# Allegro board HB1A-AAFM.brd (continued)
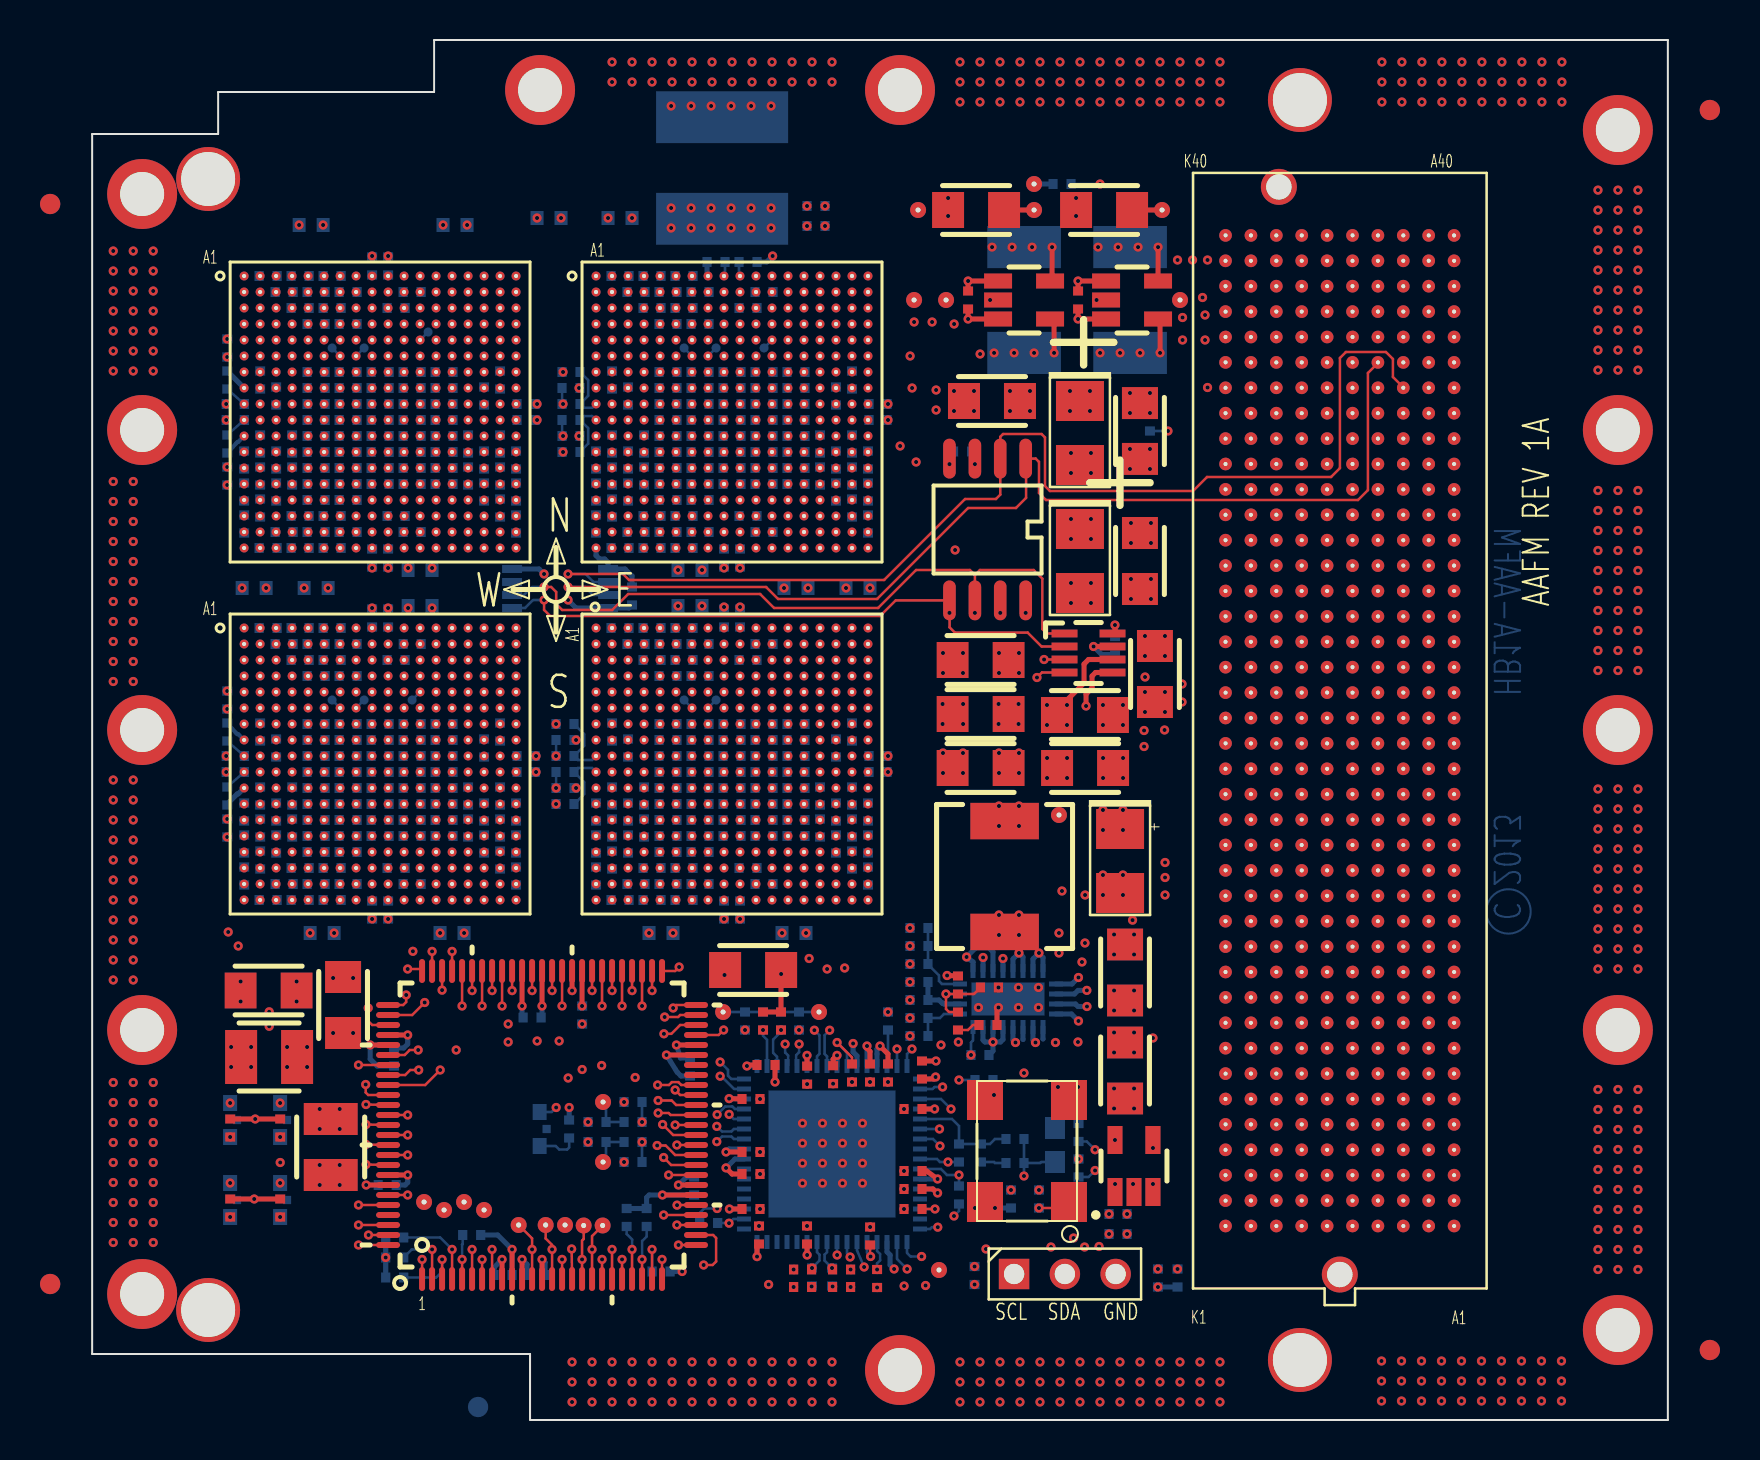
[diagram p0: board, top side]
## Placement (name value [footprint] x y rotation side) (continued)
C230  0.1 uF  [0402]  11.2 30 0 bottom
C231  0.1 uF  [0402]  11.2 29.2 180 bottom
C232  22.0 uF  [0603_0P90MM_TANT]  10.95 59.75 180 bottom
C233  22.0 uF  [0603_0P90MM_TANT]  8.1 41.6 180 bottom
D1  DLED-0004  [AMC_LED]  9.4 11 90 bottom
D2  DLED-0004  [AMC_LED]  22.38 14.55 90 bottom
D3  DLED-0004  [AMC_LED]  9.4 15 90 bottom
D4  DLED-0004  [AMC_LED]  6.9 11 90 bottom
D5  DLED-0004  [AMC_LED]  6.9 15 90 bottom
FH1  J001-1T01  [TP_22]  22.4 66.5 0 top
FH2  J001-1T01  [TP_22]  40.4 66.5 0 top
FH3  J001-1T01  [TP_22]  76.3 64.5 0 top
FH4  J001-1T01  [TP_22]  2.5 61.3 0 top
FH5  J001-1T01  [TP_22]  2.5 49.5 0 top
FH6  J001-1T01  [TP_22]  76.3 49.5 0 top
FH7  J001-1T01  [TP_22]  2.5 34.5 0 top
FH8  J001-1T01  [TP_22]  76.3 34.5 0 top
FH9  J001-1T01  [TP_22]  2.5 19.5 0 top
FH10  J001-1T01  [TP_22]  76.3 19.5 0 top
FH11  J001-1T01  [TP_22]  2.5 6.3 0 top
FH12  J001-1T01  [TP_22]  76.3 4.5 0 top
FH13  J001-1T01  [TP_22]  40.4 2.5 0 top
J1  J003-1V02  [3P-JMP_LS100]  48.64 7.3 0 top
L1  .2uH  [IND-IHLP2525CZ-01]  45.63 27.18 90 top
NOREF  -  []  86.4 0 90 top
NOREF#2  -  []  21.9 0 90 top
NOREF#3  -  []  135.1 -47.3 0 top
NOREF#4  -  []  78.8 69 0 top
NOREF#5  -  []  21.9 0 90 top
NOREF#6  -  []  0 3.3 0 top
NOREF#7  -  []  0 64.3 0 top
NOREF#8  -  []  0 64.3 0 top
NOREF#9  -  []  0 3.3 0 top
NOREF#10  -  []  -7.6 3.3 0 top
NOREF#11  -  [unnamed#2]  80.9 3.5 90 top
NOREF#12  -  []  -7.6 3.3 90 top
NOREF#13  -  []  -7.6 3.3 0 top
NOREF#14  -  []  5.8 5.5 90 top
NOREF#15  -  [unnamed#2]  80.9 65.5 90 top
NOREF#16  -  []  21.9 0 90 top
NOREF#17  -  [unnamed#2]  -2.1 60.8 90 top
NOREF#18  -  [unnamed#2]  -2.1 6.8 90 top
NOREF#19  -  []  0 64.3 0 top
NOREF#20  -  []  92.7 144.9 0 top
NOREF#21  -  [unnamed#2]  80.9 3.5 90 bottom
NOREF#22  -  [unnamed#2]  80.9 65.5 90 bottom
NOREF#23  -  [unnamed#2]  -2.1 6.8 90 bottom
NOREF#24  -  [unnamed#2]  -2.1 60.8 90 bottom
P1  J400-AV11  [VITA57_MEZZ]  62.39 34.47 270 top
PCB1  AAFM PCB Revision 00  [BOM_PART]  19.3 0.65 180 bottom
R1  100  [1206]  52.4 49.45 270 top
R2  0  [0402]  43.3 21.75 270 top
R3  100.0  [0402]  33.55 19.95 90 top
R4  100.0  [0402]  34.45 19.95 90 top
R5  15K  [0402]  43.3 19.95 90 top
R6  100.0  [0402]  9.41 10.6 270 top
R7  4.12K  [0402]  38 17.35 270 top
R8  100.0  [0402]  6.91 10.6 270 top
R9  100.0  [0402]  23.85 14.55 270 bottom
R10  100.0  [0402]  6.91 14.6 270 top
R11  100.0  [0402]  9.41 14.6 270 top
R12  40.2  [0402]  35.53 6.65 180 top
R13  40.2  [0402]  37.48 6.65 0 top
R14  10K  [0402]  54.28 7.1 270 bottom
R16  10K  [0402]  53.3 7.1 270 bottom
R17  0  [0402]  52.9 49.9 90 bottom
R18  0  [0402]  48.5 61.8 180 bottom
R19  100.0  [0402]  47.35 11.05 270 bottom
R20  0.05  [2512_0P635]  46.6 56 90 bottom
R21  0.02  [2512_0P635]  51.91 56 90 bottom
R22  24.9  [0402]  44.6 17 180 bottom
R23  499.0  [0402]  44.45 13.35 270 bottom
R24  113K  [0402]  44.4 18.25 180 bottom
R25  10K  [0402]  44.13 7.22 270 bottom
R26  3.0K  [0402]  43.35 13.35 270 bottom
R27  309K  [0402]  41.35 24.6 0 bottom
R28  232K  [0402]  41.35 23.7 0 bottom
R29  309K  [0402]  41.35 22.8 180 bottom
R30  232K  [0402]  41.35 21.9 0 bottom
R31  309K  [0402]  41.35 21 180 bottom
R32  121K  [0402]  41.35 20.1 180 bottom
R33  113K  [0402]  41.35 19.2 0 bottom
R34  5.11K  [0402]  39.8 19.95 90 bottom
R35  10K  [0402]  39.3 50.8 180 bottom
R36  10K  [0402]  39.3 50 180 bottom
R37  10K  [0402]  39.3 33.2 180 bottom
R38  10K  [0402]  39.3 32.4 180 bottom
R39  100.0  [0402]  38.8 48 90 bottom
R40  100.0  [0402]  38.8 46.4 90 bottom
R41  100.0  [0402]  38.8 44.8 90 bottom
R42  100.0  [0402]  38.8 30.4 90 bottom
R43  100.0  [0402]  38.8 28.8 90 bottom
R44  100.0  [0402]  38.8 27.2 90 bottom
R45  100.0  [0402]  38 52 90 bottom
R46  100.0  [0402]  38 48.8 90 bottom
R47  100.0  [0402]  38 47.2 90 bottom
R48  100.0  [0402]  38 45.6 90 bottom
R49  100.0  [0402]  38 34.4 90 bottom
R50  100.0  [0402]  38 31.2 90 bottom
R51  100.0  [0402]  38 29.6 90 bottom
R52  100.0  [0402]  38 28 90 bottom
R53  100.0  [0402]  37.48 7.53 0 top
R54  100.0  [0402]  37.2 51.2 90 bottom
R55  100.0  [0402]  37.2 48 90 bottom
R56  100.0  [0402]  37.2 46.4 90 bottom
R57  100.0  [0402]  37.2 33.6 90 bottom
R58  100.0  [0402]  37.2 30.4 90 bottom
R59  100.0  [0402]  37.2 28.8 90 bottom
R60  57.6  [0402]  37 7.15 270 bottom
R61  100.0  [0402]  36.4 48.8 90 bottom
R62  100.0  [0402]  36.4 47.2 90 bottom
R63  100.0  [0402]  36.4 31.2 90 bottom
R64  100.0  [0402]  36.4 29.6 90 bottom
R65  57.6  [0402]  36 7.15 270 bottom
R66  40.2  [0402]  35.35 19.95 270 bottom
R67  100.0  [0402]  35.53 7.53 180 top
R68  57.6  [0402]  34.45 19.95 90 bottom
R69  100.0  [0402]  33.6 56.4 180 bottom
R70  100.0  [0402]  33.6 44.4 0 bottom
R71  100.0  [0402]  33.6 38.8 180 bottom
R72  100.0  [0402]  33.6 26.8 0 bottom
R73  57.6  [0402]  33.55 19.95 90 bottom
R74  10K  [0402]  32.8 57.9 180 bottom
R75  100.0  [0402]  32.8 55.6 180 bottom
R76  100.0  [0402]  32.8 45.2 0 bottom
R77  100.0  [0402]  32.8 38 180 bottom
R78  100.0  [0402]  32.8 27.6 0 bottom
R79  24.9  [0402]  30.83 9.85 180 bottom
R80  40.2  [0402]  32.65 19.95 270 bottom
R81  10K  [0402]  32.4 43.1 90 bottom
R82  10K  [0402]  32.4 40.1 270 bottom
R83  10K  [0402]  32.4 25.5 90 bottom
R84  10K  [0402]  31.6 43.1 90 bottom
R85  10K  [0402]  31.6 40.1 270 bottom
R86  10K  [0402]  31.6 25.5 90 bottom
R87  1M  [MC101_0P89]  31.5 62.6 90 bottom
R88  10K  [0402]  31.2 57.9 0 bottom
R89  100.0  [0402]  30.4 56.4 180 bottom
R90  100.0  [0402]  30.4 54.8 180 bottom
R91  100.0  [0402]  30.4 46 0 bottom
R92  100.0  [0402]  30.4 44.4 0 bottom
R93  100.0  [0402]  30.4 38.8 180 bottom
R94  100.0  [0402]  30.4 37.2 180 bottom
R95  100.0  [0402]  30.4 28.4 0 bottom
R96  100.0  [0402]  30.4 26.8 0 bottom
R97  100.0  [0402]  29.6 57.2 180 bottom
R98  100.0  [0402]  29.6 55.6 180 bottom
R99  100.0  [0402]  29.6 45.2 0 bottom
R100  100.0  [0402]  29.6 43.6 0 bottom
R101  100.0  [0402]  29.6 39.6 180 bottom
R102  100.0  [0402]  29.6 38 180 bottom
R103  100.0  [0402]  29.6 27.6 0 bottom
R104  100.0  [0402]  29.6 26 0 bottom
R105  100.0  [0402]  28.8 56.4 180 bottom
R106  100.0  [0402]  28.8 54.8 180 bottom
R107  100.0  [0402]  28.8 46 0 bottom
R108  100.0  [0402]  28.8 44.4 0 bottom
R109  100.0  [0402]  28.8 38.8 180 bottom
R110  100.0  [0402]  28.8 37.2 180 bottom
R111  100.0  [0402]  28.8 28.4 0 bottom
R112  100.0  [0402]  28.8 26.8 0 bottom
R113  100.0  [0402]  28 57.2 180 bottom
R114  100.0  [0402]  28 55.6 180 bottom
R115  100.0  [0402]  28 45.2 0 bottom
R116  100.0  [0402]  28 43.6 0 bottom
R117  100.0  [0402]  28 39.6 180 bottom
R118  100.0  [0402]  28 38 180 bottom
R119  100.0  [0402]  28 27.6 0 bottom
R120  100.0  [0402]  28 26 0 bottom
R121  100.0  [0402]  27.6 48.8 270 bottom
R122  100.0  [0402]  27.6 47.2 270 bottom
R123  100.0  [0402]  27.6 31.2 270 bottom
R124  100.0  [0402]  27.6 29.6 270 bottom
R125  100.0  [0402]  27.2 56.4 180 bottom
R126  100.0  [0402]  27.2 44.4 0 bottom
R127  100.0  [0402]  27.2 38.8 180 bottom
R128  100.0  [0402]  27.2 26.8 0 bottom
R129  100.0  [0402]  27.05 15.9 180 bottom
R130  57.6  [0402]  27.05 14.9 180 bottom
R131  57.6  [0402]  27.05 13.9 180 bottom
R132  100.0  [0402]  27.05 12.9 180 bottom
R133  100.0  [0402]  26.8 51.2 270 bottom
R134  100.0  [0402]  26.8 48 270 bottom
R135  100.0  [0402]  26.8 46.4 270 bottom
R136  100.0  [0402]  26.8 33.6 270 bottom
R137  100.0  [0402]  26.8 30.4 270 bottom
R138  100.0  [0402]  26.8 28.8 270 bottom
R139  100.0  [0402]  26.4 57.2 180 bottom
R140  100.0  [0402]  26.4 43.6 0 bottom
R141  100.0  [0402]  26.4 39.6 180 bottom
R142  100.0  [0402]  26.4 26 0 bottom
R143  100.0  [0402]  26 52 270 bottom
R144  100.0  [0402]  26 48.8 270 bottom
R145  100.0  [0402]  26 47.2 270 bottom
R146  100.0  [0402]  26 45.6 270 bottom
R147  100.0  [0402]  26 34.4 270 bottom
R148  100.0  [0402]  26 31.2 270 bottom
R149  100.0  [0402]  26 29.6 270 bottom
R150  100.0  [0402]  26 28 270 bottom
R151  40.2  [0402]  25.25 14.9 180 bottom
R152  40.2  [0402]  25.25 13.9 180 bottom
R153  100.0  [0402]  25.2 48 270 bottom
R154  100.0  [0402]  25.2 46.4 270 bottom
R155  100.0  [0402]  25.2 44.8 270 bottom
R156  100.0  [0402]  25.2 30.4 270 bottom
R157  100.0  [0402]  25.2 28.8 270 bottom
R158  100.0  [0402]  25.2 27.2 270 bottom
R159  40.2  [0402]  23.95 52.4 180 bottom
R160  100.0  [0402]  23.95 51.6 0 bottom
R161  57.6  [0402]  23.95 50.8 0 bottom
R162  57.6  [0402]  23.95 50 0 bottom
R163  100.0  [0402]  23.95 49.2 0 bottom
R164  40.2  [0402]  23.95 48.4 180 bottom
R165  40.2  [0402]  23.65 34.8 180 bottom
R166  100.0  [0402]  23.65 34 0 bottom
R167  57.6  [0402]  23.65 33.2 0 bottom
R168  57.6  [0402]  23.65 32.4 0 bottom
R169  100.0  [0402]  23.65 31.6 0 bottom
R170  40.2  [0402]  23.65 30.8 180 bottom
R171  10K  [0402]  21.7 50.8 180 bottom
R172  10K  [0402]  21.7 50 180 bottom
R173  10K  [0402]  21.7 33.2 180 bottom
R174  10K  [0402]  21.7 32.4 180 bottom
R175  100.0  [0402]  21.2 48 90 bottom
R176  100.0  [0402]  21.2 46.4 90 bottom
R177  100.0  [0402]  21.2 44.8 90 bottom
R178  100.0  [0402]  21.2 30.4 90 bottom
R179  100.0  [0402]  21.2 28.8 90 bottom
R180  100.0  [0402]  21.2 27.2 90 bottom
R181  100.0  [0402]  20.4 52 90 bottom
R182  100.0  [0402]  20.4 48.8 90 bottom
R183  100.0  [0402]  20.4 47.2 90 bottom
R184  100.0  [0402]  20.4 45.6 90 bottom
R185  100.0  [0402]  20.4 34.4 90 bottom
R186  100.0  [0402]  20.4 31.2 90 bottom
R187  100.0  [0402]  20.4 29.6 90 bottom
R188  100.0  [0402]  20.4 28 90 bottom
R189  100.0  [0402]  19.6 51.2 90 bottom
R190  100.0  [0402]  19.6 48 90 bottom
R191  100.0  [0402]  19.6 46.4 90 bottom
R192  100.0  [0402]  19.6 33.6 90 bottom
R193  100.0  [0402]  19.6 30.4 90 bottom
R194  100.0  [0402]  19.6 28.8 90 bottom
R195  10K  [0402]  18.98 9.25 180 bottom
R196  100.0  [0402]  18.8 48.8 90 bottom
R197  100.0  [0402]  18.8 47.2 90 bottom
R198  100.0  [0402]  18.8 31.2 90 bottom
R199  100.0  [0402]  18.8 29.6 90 bottom
R200  10K  [0402]  15.13 9.12 0 bottom
R201  10K  [0402]  15.13 7.12 0 bottom
R202  10K  [0402]  15.13 8.12 0 bottom
R203  100.0  [0402]  16 56.4 180 bottom
R204  100.0  [0402]  16 44.4 0 bottom
R205  100.0  [0402]  16 26.8 0 bottom
R206  100.0  [0402]  15.2 55.6 180 bottom
R207  100.0  [0402]  15.2 45.2 0 bottom
R208  100.0  [0402]  15.2 38 180 bottom
R209  100.0  [0402]  15.2 27.6 0 bottom
R210  10K  [0402]  14.8 57.7 270 bottom
R211  10K  [0402]  14.8 43.1 90 bottom
R212  10K  [0402]  14.8 40.1 270 bottom
R213  10K  [0402]  14.8 25.5 90 bottom
R214  100.0  [0402]  16 38.8 180 bottom
R215  10K  [0402]  14 57.7 270 bottom
R216  10K  [0402]  14 43.1 90 bottom
R217  10K  [0402]  14 40.1 270 bottom
R218  10K  [0402]  14 25.5 90 bottom
R219  100.0  [0402]  12.8 56.4 180 bottom
R220  100.0  [0402]  12.8 54.8 180 bottom
R221  100.0  [0402]  12.8 46 0 bottom
R222  100.0  [0402]  12.8 44.4 0 bottom
R223  100.0  [0402]  12.8 38.8 180 bottom
R224  100.0  [0402]  12.8 37.2 180 bottom
R225  100.0  [0402]  12.8 28.4 0 bottom
R226  100.0  [0402]  12.8 26.8 0 bottom
R227  100.0  [0402]  12 57.2 180 bottom
R228  100.0  [0402]  12 55.6 180 bottom
R229  100.0  [0402]  12 45.2 0 bottom
R230  100.0  [0402]  12 43.6 0 bottom
R231  100.0  [0402]  12 39.6 180 bottom
R232  100.0  [0402]  12 38 180 bottom
R233  100.0  [0402]  12 27.6 0 bottom
R234  100.0  [0402]  12 26 0 bottom
R235  100.0  [0402]  11.2 56.4 180 bottom
R236  100.0  [0402]  11.2 54.8 180 bottom
R237  100.0  [0402]  11.2 46 0 bottom
R238  100.0  [0402]  11.2 44.4 0 bottom
R239  100.0  [0402]  11.2 38.8 180 bottom
R240  100.0  [0402]  11.2 37.2 180 bottom
R241  100.0  [0402]  11.2 28.4 0 bottom
R242  100.0  [0402]  11.2 26.8 0 bottom
R243  100.0  [0402]  10.4 57.2 180 bottom
R244  100.0  [0402]  10.4 55.6 180 bottom
R245  100.0  [0402]  10.4 45.2 0 bottom
R246  100.0  [0402]  10.4 43.6 0 bottom
R247  100.0  [0402]  10.4 39.6 180 bottom
R248  100.0  [0402]  10.4 38 180 bottom
R249  100.0  [0402]  10.4 27.6 0 bottom
R250  100.0  [0402]  10.4 26 0 bottom
R251  100.0  [0402]  7.6 44.8 270 bottom
R252  100.0  [0402]  10 48.8 270 bottom
R253  100.0  [0402]  10 47.2 270 bottom
R254  100.0  [0402]  7.6 28.8 270 bottom
R255  100.0  [0402]  7.6 27.2 270 bottom
R256  100.0  [0402]  9.6 56.4 180 bottom
R257  100.0  [0402]  9.6 44.4 0 bottom
R258  100.0  [0402]  9.6 38.8 180 bottom
R259  100.0  [0402]  9.6 26.8 0 bottom
R260  100.0  [0402]  9.2 51.2 270 bottom
R261  100.0  [0402]  8.41 29.6 270 bottom
R262  100.0  [0402]  8.41 28 270 bottom
R263  100.0  [0402]  9.2 33.6 270 bottom
R264  100.0  [0402]  8.8 57.2 180 bottom
R265  100.0  [0402]  8.8 43.6 0 bottom
R266  100.0  [0402]  8.8 39.6 180 bottom
R267  100.0  [0402]  8.8 26 0 bottom
R268  100.0  [0402]  9.2 48 270 bottom
R269  100.0  [0402]  9.2 46.4 270 bottom
R270  100.0  [0402]  8.41 52 270 bottom
R271  100.0  [0402]  8.4 48.8 270 bottom
R272  100.0  [0402]  8.4 47.2 270 bottom
R273  100.0  [0402]  8.4 45.6 270 bottom
R274  100.0  [0402]  9.2 30.4 270 bottom
R275  100.0  [0402]  9.2 28.8 270 bottom
R276  100.0  [0402]  8.4 34.4 270 bottom
R277  100.0  [0402]  8.4 31.2 270 bottom
R278  100.0  [0402]  7.6 48 270 bottom
R279  100.0  [0402]  7.6 46.4 270 bottom
R280  100.0  [0402]  10 31.2 270 bottom
R281  100.0  [0402]  10 29.6 270 bottom
R282  100.0  [0402]  7.6 30.4 270 bottom
R283  40.2  [0402]  6.75 52 90 bottom
R284  100.0  [0402]  6.75 53.6 90 bottom
R285  57.6  [0402]  7.16 50.8 0 bottom
R286  57.6  [0402]  7.16 50 0 bottom
R287  100.0  [0402]  6.75 47.2 270 bottom
R288  40.2  [0402]  6.75 48.8 270 bottom
R289  40.2  [0402]  6.75 34.4 90 bottom
R290  100.0  [0402]  6.75 36 90 bottom
R291  57.6  [0402]  7.16 33.2 0 bottom
R292  57.6  [0402]  7.16 32.4 0 bottom
R293  100.0  [0402]  6.75 29.6 270 bottom
R294  40.2  [0402]  6.75 31.2 270 bottom
R295  0  [0402]  38.91 9.2 270 top
R296  0  [0402]  39.25 7.08 90 top
R297  10K  [0402]  26.73 10.12 90 bottom
R298  10K  [0402]  27.73 10.12 90 bottom
R299  1K  [0402]  28.45 7.42 0 bottom
R300  10K  [0402]  36.2 60.7 0 bottom
R301  10K  [0402]  36.2 59.7 0 bottom
R302  10K  [0402]  51.3 10.3 0 bottom
R303  10K  [0402]  51.3 9.3 0 bottom
R306  10K  [0402]  49.33 12.6 90 bottom
R307  10K  [0402]  49.33 14.38 90 bottom
SO1  J001-1T01  [TP_22#2]  60.4 66 0 top
SO2  J001-1T01  [TP_22#2]  5.8 62.05 0 top
SO3  J001-1T01  [TP_22#2]  5.8 5.5 0 top
SO4  J001-1T01  [TP_22#2]  60.4 3 0 top
TP1  J001-1T01  [TP_22#3]  47.1 61.8 180 bottom
TP2  J001-1T01  [TP_22#3]  42.7 56 180 bottom
TP3  J001-1T01  [TP_22#3]  53.5 60.5 180 bottom
TP4  J001-1T01  [TP_22#3]  54.41 56 180 bottom
TP5  J001-1T01  [TP_22#3]  41.1 56 180 bottom
TP6  J001-1T01  [TP_22#3]  48.35 30.25 180 bottom
TP7  J001-1T01  [TP_22#3]  47.1 60.5 180 bottom
TP8  J001-1T01  [TP_22#3]  42.35 7.5 180 bottom
TP9  J001-1T01  [TP_22#3]  41.3 60.5 180 bottom
TP10  J001-1T01  [TP_22#3]  36.35 20.4 90 bottom
TP11  J001-1T01  [TP_22#4]  33.6 53.6 180 bottom
TP12  J001-1T01  [TP_22#3]  31.55 20.4 90 bottom
TP13  J001-1T01  [TP_22#4]  31.2 53.6 180 bottom
TP14  J001-1T01  [TP_22#4]  31.2 36 180 bottom
TP15  J001-1T01  [TP_22#4]  29.6 53.6 180 bottom
TP16  J001-1T01  [TP_22#4]  29.6 36 180 bottom
TP17  J001-1T01  [TP_22#3]  25.55 15.9 0 bottom
TP18  J001-1T01  [TP_22#3]  25.55 12.9 0 bottom
TP19  J001-1T01  [TP_22#3]  25.53 9.72 180 bottom
TP20  J001-1T01  [TP_22#3]  24.58 9.72 180 bottom
TP21  J001-1T01  [TP_22#3]  23.65 9.75 180 bottom
TP22  J001-1T01  [TP_22#3]  22.68 9.75 180 bottom
TP23  J001-1T01  [TP_22#3]  21.33 9.75 180 bottom
TP24  J001-1T01  [TP_22#3]  19.6 10.5 180 bottom
TP25  J001-1T01  [TP_22#3]  18.6 10.9 180 bottom
TP26  J001-1T01  [TP_22#3]  17.6 10.5 180 bottom
TP27  J001-1T01  [TP_22#4]  16.8 54.4 180 bottom
TP28  J001-1T01  [TP_22#3]  16.6 10.9 180 bottom
TP29  J001-1T01  [TP_22#4]  16 36 180 bottom
TP30  J001-1T01  [TP_22#4]  13.6 53.6 180 bottom
TP31  J001-1T01  [TP_22#4]  13.6 36 180 bottom
TP32  J001-1T01  [TP_22#4]  12 53.6 180 bottom
TP33  J001-1T01  [TP_22#4]  12 36 180 bottom
U1  USEN-0012  [SOT23-5_1P45MM]  46.6 56 270 top
U2  USEN-0012  [SOT23-5_1P45MM]  52 56 270 top
U3  UPRD-0002  [324P-0P80MM-BGA_1P50]  14.4 50.4 0 top
U4  UPRD-0002  [324P-0P80MM-BGA_1P50]  32 50.4 0 top
U5  UMEM-0011  [SO8-8S2_2P03]  44.78 44.52 270 top
U6  UADC-0005  [SOT23-8]  49.83 38.35 270 top
U7  UPRD-0002  [324P-0P80MM-BGA_1P50]  14.4 32.8 0 top
U8  UPRD-0002  [324P-0P80MM-BGA_1P50]  32 32.8 0 top
U9  UCPA-0002  [ALTERA_100-TQFP]  22.5 14.75 90 top
U10  UIFC-0006  [SOT23-5_1P45MM]  52.1 12.7 0 top
U11  UREG-0034  [24-LEAD_QFN_3MMX5MM_0P80]  45.8 21.05 270 bottom
U12  UCLK-0044  [64-LEAD_LFCSP_VQ]  37 13.3 180 bottom
U13  USEN-0004  [MUA08A]  23.4 41.58 0 bottom
X1  25.xx MHz  [SM77D]  46.75 13.45 180 top

## Library data of the parts
C1 C3 C5 C8-C14 C16-C18 C20 C24 = CAP/SM
C2 C4 C19 C21-C23 C25-C48 C50-C57 C59-C66 C68-C115 C118-C134 C136 C137 C139 C141-C143 C146-C161 C164-C213 C215-C222 C224-C231 = CAP NP
C6 C7 C15 C49 C58 C67 C116 C117 C135 C138 C140 C144 C145 C162 C163 C214 C223 C232 C233 = CAP_TANT
D1-D5 = LED
FH1-FH13 SO1-SO4 TP1-TP33 = T_POINT_R
J1 = HEADER_1X3
L1 = Inductor
P1 = VITA-57DOT1-SEAM-40
PCB1 = BOM_PART
R1 = RES_1206
R2-R14 R16-R298 R300-R303 R306 R307 = RESISTOR/SM
R299 = R
U1 U2 = ISL28006
U3 U4 U7 U8 = ATDSP16-R1
U5 = I2C_ROM_3_ADDR
U6 = AD7991
U9 = EPM240T100
U10 = SN65LVDT2DBV
U11 = LTC3616
U12 = AD9520_65P
U13 = LM75
X1 = osc

## Footprints (pads in the part's own frame, mm; a bottom-side part is the same pattern mirrored in y, then rotated)
3P-JMP_LS100
  rect 1.524x1.524 hole 1.016: 1(-2.54,0)
  round 1.524 hole 1.016: 2(0,0) 3(2.54,0)
24-LEAD_QFN_3MMX5MM_0P80
  rect 0.7x0.25 smd: 1(-1.4,1.75) 2(-1.4,1.25) 3(-1.4,0.75) 4(-1.4,0.25) 5(-1.4,-0.25) 6(-1.4,-0.75) 7(-1.4,-1.25) 8(-1.4,-1.75) 13(1.4,-1.75) 14(1.4,-1.25) 15(1.4,-0.75) 16(1.4,-0.25) 17(1.4,0.25) 18(1.4,0.75) 19(1.4,1.25) 20(1.4,1.75)
  rect 0.25x0.7 smd: 9(-0.75,-2.4) 10(-0.25,-2.4) 11(0.25,-2.4) 12(0.75,-2.4) 21(0.75,2.4) 22(0.25,2.4) 23(-0.25,2.4) 24(-0.75,2.4)
  rect 1.65x3.65 smd: 25(0,0)
64-LEAD_LFCSP_VQ
  rect 0.7x0.25 smd: 1(-4.4,3.75) 2(-4.4,3.25) 3(-4.4,2.75) 4(-4.4,2.25) 5(-4.4,1.75) 6(-4.4,1.25) 7(-4.4,0.75) 8(-4.4,0.25) 9(-4.4,-0.25) 10(-4.4,-0.75) 11(-4.4,-1.25) 12(-4.4,-1.75) 13(-4.4,-2.25) 14(-4.4,-2.75) 15(-4.4,-3.25) 16(-4.4,-3.75) 33(4.4,-3.75) 34(4.4,-3.25) 35(4.4,-2.75) 36(4.4,-2.25) 37(4.4,-1.75) 38(4.4,-1.25) 39(4.4,-0.75) 40(4.4,-0.25) 41(4.4,0.25) 42(4.4,0.75) 43(4.4,1.25) 44(4.4,1.75) 45(4.4,2.25) 46(4.4,2.75) 47(4.4,3.25) 48(4.4,3.75)
  rect 0.25x0.7 smd: 17(-3.75,-4.4) 18(-3.25,-4.4) 19(-2.75,-4.4) 20(-2.25,-4.4) 21(-1.75,-4.4) 22(-1.25,-4.4) 23(-0.75,-4.4) 24(-0.25,-4.4) 25(0.25,-4.4) 26(0.75,-4.4) 27(1.25,-4.4) 28(1.75,-4.4) 29(2.25,-4.4) 30(2.75,-4.4) 31(3.25,-4.4) 32(3.75,-4.4) 49(3.75,4.4) 50(3.25,4.4) 51(2.75,4.4) 52(2.25,4.4) 53(1.75,4.4) 54(1.25,4.4) 55(0.75,4.4) 56(0.25,4.4) 57(-0.25,4.4) 58(-0.75,4.4) 59(-1.25,4.4) 60(-1.75,4.4) 61(-2.25,4.4) 62(-2.75,4.4) 63(-3.25,4.4) 64(-3.75,4.4)
  rect 6.35x6.35 smd: 65(0,0)
324P-0P80MM-BGA_1P50
  round 0.45 hole 0.203: A1(-6.8,6.8) A2(-6,6.8) A3(-5.2,6.8) A4(-4.4,6.8) A5(-3.6,6.8) A6(-2.8,6.8) A7(-2,6.8) A8(-1.2,6.8) A9(-0.4,6.8) A10(0.4,6.8) A11(1.2,6.8) A12(2,6.8) A13(2.8,6.8) A14(3.6,6.8) A15(4.4,6.8) A16(5.2,6.8) A17(6,6.8) A18(6.8,6.8) B1(-6.8,6) B2(-6,6) B3(-5.2,6) B4(-4.4,6) B5(-3.6,6) B6(-2.8,6) B7(-2,6) B8(-1.2,6) B9(-0.4,6) B10(0.4,6) B11(1.2,6) B12(2,6) B13(2.8,6) B14(3.6,6) B15(4.4,6) B16(5.2,6) B17(6,6) B18(6.8,6) C1(-6.8,5.2) C2(-6,5.2) C3(-5.2,5.2) C4(-4.4,5.2) C5(-3.6,5.2) C6(-2.8,5.2) C7(-2,5.2) C8(-1.2,5.2) C9(-0.4,5.2) C10(0.4,5.2) C11(1.2,5.2) C12(2,5.2) C13(2.8,5.2) C14(3.6,5.2) C15(4.4,5.2) C16(5.2,5.2) C17(6,5.2) C18(6.8,5.2) D1(-6.8,4.4) D2(-6,4.4) D3(-5.2,4.4) D4(-4.4,4.4) D5(-3.6,4.4) D6(-2.8,4.4) D7(-2,4.4) D8(-1.2,4.4) D9(-0.4,4.4) D10(0.4,4.4) D11(1.2,4.4) D12(2,4.4) D13(2.8,4.4) D14(3.6,4.4) D15(4.4,4.4) D16(5.2,4.4) D17(6,4.4) D18(6.8,4.4) E1(-6.8,3.6) E2(-6,3.6) E3(-5.2,3.6) E4(-4.4,3.6) E5(-3.6,3.6) E6(-2.8,3.6) E7(-2,3.6) E8(-1.2,3.6) E9(-0.4,3.6) E10(0.4,3.6) E11(1.2,3.6) E12(2,3.6) E13(2.8,3.6) E14(3.6,3.6) E15(4.4,3.6) E16(5.2,3.6) E17(6,3.6) E18(6.8,3.6) F1(-6.8,2.8) F2(-6,2.8) F3(-5.2,2.8) F4(-4.4,2.8) F5(-3.6,2.8) F6(-2.8,2.8) F7(-2,2.8) F8(-1.2,2.8) F9(-0.4,2.8) F10(0.4,2.8) F11(1.2,2.8) F12(2,2.8) F13(2.8,2.8) F14(3.6,2.8) F15(4.4,2.8) F16(5.2,2.8) F17(6,2.8) F18(6.8,2.8) G1(-6.8,2) G2(-6,2) G3(-5.2,2) G4(-4.4,2) G5(-3.6,2) G6(-2.8,2) G7(-2,2) G8(-1.2,2) G9(-0.4,2) G10(0.4,2) G11(1.2,2) G12(2,2) G13(2.8,2) G14(3.6,2) G15(4.4,2) G16(5.2,2) G17(6,2) G18(6.8,2) H1(-6.8,1.2) H2(-6,1.2) H3(-5.2,1.2) H4(-4.4,1.2) H5(-3.6,1.2) H6(-2.8,1.2) H7(-2,1.2) H8(-1.2,1.2) H9(-0.4,1.2) H10(0.4,1.2) H11(1.2,1.2) H12(2,1.2) H13(2.8,1.2) H14(3.6,1.2) H15(4.4,1.2) H16(5.2,1.2) H17(6,1.2) H18(6.8,1.2) J1(-6.8,0.4) J2(-6,0.4) J3(-5.2,0.4) J4(-4.4,0.4) J5(-3.6,0.4) J6(-2.8,0.4) J7(-2,0.4) J8(-1.2,0.4) J9(-0.4,0.4) J10(0.4,0.4) J11(1.2,0.4) J12(2,0.4) J13(2.8,0.4) J14(3.6,0.4) J15(4.4,0.4) J16(5.2,0.4) J17(6,0.4) J18(6.8,0.4) K1(-6.8,-0.4) K2(-6,-0.4) K3(-5.2,-0.4) K4(-4.4,-0.4) K5(-3.6,-0.4) K6(-2.8,-0.4) K7(-2,-0.4) K8(-1.2,-0.4) K9(-0.4,-0.4) K10(0.4,-0.4) K11(1.2,-0.4) K12(2,-0.4) K13(2.8,-0.4) K14(3.6,-0.4) K15(4.4,-0.4) K16(5.2,-0.4) K17(6,-0.4) K18(6.8,-0.4) L1(-6.8,-1.2) L2(-6,-1.2) L3(-5.2,-1.2) L4(-4.4,-1.2) L5(-3.6,-1.2) L6(-2.8,-1.2) L7(-2,-1.2) L8(-1.2,-1.2) L9(-0.4,-1.2) L10(0.4,-1.2) L11(1.2,-1.2) L12(2,-1.2) L13(2.8,-1.2) L14(3.6,-1.2) L15(4.4,-1.2) L16(5.2,-1.2) L17(6,-1.2) L18(6.8,-1.2) M1(-6.8,-2) M2(-6,-2) M3(-5.2,-2) M4(-4.4,-2) M5(-3.6,-2) M6(-2.8,-2) M7(-2,-2) M8(-1.2,-2) M9(-0.4,-2) M10(0.4,-2) M11(1.2,-2) M12(2,-2) M13(2.8,-2) M14(3.6,-2) M15(4.4,-2) M16(5.2,-2) M17(6,-2) M18(6.8,-2) N1(-6.8,-2.8) N2(-6,-2.8) N3(-5.2,-2.8) N4(-4.4,-2.8) N5(-3.6,-2.8) N6(-2.8,-2.8) N7(-2,-2.8) N8(-1.2,-2.8) N9(-0.4,-2.8) N10(0.4,-2.8) N11(1.2,-2.8) N12(2,-2.8) N13(2.8,-2.8) N14(3.6,-2.8) N15(4.4,-2.8) N16(5.2,-2.8) N17(6,-2.8) N18(6.8,-2.8) P1(-6.8,-3.6) P2(-6,-3.6) P3(-5.2,-3.6) P4(-4.4,-3.6) P5(-3.6,-3.6) P6(-2.8,-3.6) P7(-2,-3.6) P8(-1.2,-3.6) P9(-0.4,-3.6) P10(0.4,-3.6) P11(1.2,-3.6) P12(2,-3.6) P13(2.8,-3.6) P14(3.6,-3.6) P15(4.4,-3.6) P16(5.2,-3.6) P17(6,-3.6) P18(6.8,-3.6) R1(-6.8,-4.4) R2(-6,-4.4) R3(-5.2,-4.4) R4(-4.4,-4.4) R5(-3.6,-4.4) R6(-2.8,-4.4) R7(-2,-4.4) R8(-1.2,-4.4) R9(-0.4,-4.4) R10(0.4,-4.4) R11(1.2,-4.4) R12(2,-4.4) R13(2.8,-4.4) R14(3.6,-4.4) R15(4.4,-4.4) R16(5.2,-4.4) R17(6,-4.4) R18(6.8,-4.4) T1(-6.8,-5.2) T2(-6,-5.2) T3(-5.2,-5.2) T4(-4.4,-5.2) T5(-3.6,-5.2) T6(-2.8,-5.2) T7(-2,-5.2) T8(-1.2,-5.2) T9(-0.4,-5.2) T10(0.4,-5.2) T11(1.2,-5.2) T12(2,-5.2) T13(2.8,-5.2) T14(3.6,-5.2) T15(4.4,-5.2) T16(5.2,-5.2) T17(6,-5.2) T18(6.8,-5.2) U1(-6.8,-6) U2(-6,-6) U3(-5.2,-6) U4(-4.4,-6) U5(-3.6,-6) U6(-2.8,-6) U7(-2,-6) U8(-1.2,-6) U9(-0.4,-6) U10(0.4,-6) U11(1.2,-6) U12(2,-6) U13(2.8,-6) U14(3.6,-6) U15(4.4,-6) U16(5.2,-6) U17(6,-6) U18(6.8,-6) V1(-6.8,-6.8) V2(-6,-6.8) V3(-5.2,-6.8) V4(-4.4,-6.8) V5(-3.6,-6.8) V6(-2.8,-6.8) V7(-2,-6.8) V8(-1.2,-6.8) V9(-0.4,-6.8) V10(0.4,-6.8) V11(1.2,-6.8) V12(2,-6.8) V13(2.8,-6.8) V14(3.6,-6.8) V15(4.4,-6.8) V16(5.2,-6.8) V17(6,-6.8) V18(6.8,-6.8)
0402
  rect 0.46x0.5 smd: 1(-0.45,0) 2(0.45,0)
0603
  rect 1.1x1 smd: 1(-0.85,0) 2(0.85,0)
0603_0P90MM_TANT
  rect 0.65x0.7 smd: 1(-0.6,0) 2(0.6,0)
1206
  rect 1.6x1.803 smd: 1(-1.397,0) 2(1.397,0)
1206_1P78
  rect 1.6x1.8 smd: 1(-1.4,0) 2(1.4,0)
1210_2P70
  rect 1.6x2.7 smd: 1(-1.4,0) 2(1.4,0)
2512_0P635
  rect 2.11x3.68 smd: 1(-2.645,0) 2(2.645,0)
3528_12
  rect 2x2.4 smd: 1(-1.6,0) 2(1.6,0)
ALTERA_100-TQFP
  oval 1.2x0.3 smd: 1(-7.7,6) 2(-7.7,5.5) 3(-7.7,5) 4(-7.7,4.5) 5(-7.7,4) 6(-7.7,3.5) 7(-7.7,3) 8(-7.7,2.5) 9(-7.7,2) 10(-7.7,1.5) 11(-7.7,1) 12(-7.7,0.5) 13(-7.7,0) 14(-7.7,-0.5) 15(-7.7,-1) 16(-7.7,-1.5) 17(-7.7,-2) 18(-7.7,-2.5) 19(-7.7,-3) 20(-7.7,-3.5) 21(-7.7,-4) 22(-7.7,-4.5) 23(-7.7,-5) 24(-7.7,-5.5) 25(-7.7,-6) 51(7.7,-6) 52(7.7,-5.5) 53(7.7,-5) 54(7.7,-4.5) 55(7.7,-4) 56(7.7,-3.5) 57(7.7,-3) 58(7.7,-2.5) 59(7.7,-2) 60(7.7,-1.5) 61(7.7,-1) 62(7.7,-0.5) 63(7.7,0) 64(7.7,0.5) 65(7.7,1) 66(7.7,1.5) 67(7.7,2) 68(7.7,2.5) 69(7.7,3) 70(7.7,3.5) 71(7.7,4) 72(7.7,4.5) 73(7.7,5) 74(7.7,5.5) 75(7.7,6)
  oval 0.3x1.2 smd: 26(-6,-7.7) 27(-5.5,-7.7) 28(-5,-7.7) 29(-4.5,-7.7) 30(-4,-7.7) 31(-3.5,-7.7) 32(-3,-7.7) 33(-2.5,-7.7) 34(-2,-7.7) 35(-1.5,-7.7) 36(-1,-7.7) 37(-0.5,-7.7) 38(0,-7.7) 39(0.5,-7.7) 40(1,-7.7) 41(1.5,-7.7) 42(2,-7.7) 43(2.5,-7.7) 44(3,-7.7) 45(3.5,-7.7) 46(4,-7.7) 47(4.5,-7.7) 48(5,-7.7) 49(5.5,-7.7) 50(6,-7.7) 76(6,7.7) 77(5.5,7.7) 78(5,7.7) 79(4.5,7.7) 80(4,7.7) 81(3.5,7.7) 82(3,7.7) 83(2.5,7.7) 84(2,7.7) 85(1.5,7.7) 86(1,7.7) 87(0.5,7.7) 88(0,7.7) 89(-0.5,7.7) 90(-1,7.7) 91(-1.5,7.7) 92(-2,7.7) 93(-2.5,7.7) 94(-3,7.7) 95(-3.5,7.7) 96(-4,7.7) 97(-4.5,7.7) 98(-5,7.7) 99(-5.5,7.7) 100(-6,7.7)
AMC_LED
  rect 0.41x0.41 smd: (0,0.35)
  rect 0.8x0.7 smd: A(-0.85,0) C(0.85,0)
BOM_PART
  round 1.016 smd: 1(0,0)
IND-IHLP2525CZ-01
  rect 1.83x3.43 smd: 1(-2.77,0) 2(2.77,0)
MC101_0P89
  rect 2.6x6.6 smd: 1(-2.54,0) 2(2.54,0)
MUA08A
  rect 1x0.4 smd: 1(-2.4,0.975) 2(-2.4,0.325) 3(-2.4,-0.325) 4(-2.4,-0.975) 5(2.4,-0.975) 6(2.4,-0.325) 7(2.4,0.325) 8(2.4,0.975)
SM77D
  rect 1.8x2 smd: 1(-2.1,2.55) 2(-2.1,-2.55) 3(2.1,-2.55) 4(2.1,2.55)
SO8-8S2_2P03
  oval 2x0.635 smd: 1(-3.544,1.905) 2(-3.544,0.635) 3(-3.544,-0.635) 4(-3.544,-1.905) 5(3.544,-1.905) 6(3.544,-0.635) 7(3.544,0.635) 8(3.544,1.905)
SOT23-5_1P45MM
  rect 0.76x1.4 smd: 1(-0.95,-1.3) 2(0,-1.3) 3(0.95,-1.3) 4(0.95,1.3) 5(-0.95,1.3)
SOT23-8
  rect 0.4x1.3 smd: 1(-0.975,-1.2) 2(-0.325,-1.2) 3(0.325,-1.2) 4(0.975,-1.2) 5(0.975,1.2) 6(0.325,1.2) 7(-0.325,1.2) 8(-0.975,1.2)
TP_22
  round 3.5 hole 2.2: 1(0,0)
TP_22#2
  round 3.2 hole 2.7: 1(0,0)
TP_22#3
  round 0.8 hole 0.254: 1(0,0)
TP_22#4
  round 0.45 smd: 1(0,0)
unnamed#2
  round 1.016 smd: (0,0)
VITA57_MEZZ
  round 1.8 hole 1.27 unplated: (-27.191,-3.048) (27.191,0)
  round 0.635 hole 0.203: A1(24.765,5.715) A2(23.495,5.715) A3(22.225,5.715) A4(20.955,5.715) A5(19.685,5.715) A6(18.415,5.715) A7(17.145,5.715) A8(15.875,5.715) A9(14.605,5.715) A10(13.335,5.715) A11(12.065,5.715) A12(10.795,5.715) A13(9.525,5.715) A14(8.255,5.715) A15(6.985,5.715) A16(5.715,5.715) A17(4.445,5.715) A18(3.175,5.715) A19(1.905,5.715) A20(0.635,5.715) A21(-0.635,5.715) A22(-1.905,5.715) A23(-3.175,5.715) A24(-4.445,5.715) A25(-5.715,5.715) A26(-6.985,5.715) A27(-8.255,5.715) A28(-9.525,5.715) A29(-10.795,5.715) A30(-12.065,5.715) A31(-13.335,5.715) A32(-14.605,5.715) A33(-15.875,5.715) A34(-17.145,5.715) A35(-18.415,5.715) A36(-19.685,5.715) A37(-20.955,5.715) A38(-22.225,5.715) A39(-23.495,5.715) A40(-24.765,5.715) B1(24.765,4.445) B2(23.495,4.445) B3(22.225,4.445) B4(20.955,4.445) B5(19.685,4.445) B6(18.415,4.445) B7(17.145,4.445) B8(15.875,4.445) B9(14.605,4.445) B10(13.335,4.445) B11(12.065,4.445) B12(10.795,4.445) B13(9.525,4.445) B14(8.255,4.445) B15(6.985,4.445) B16(5.715,4.445) B17(4.445,4.445) B18(3.175,4.445) B19(1.905,4.445) B20(0.635,4.445) B21(-0.635,4.445) B22(-1.905,4.445) B23(-3.175,4.445) B24(-4.445,4.445) B25(-5.715,4.445) B26(-6.985,4.445) B27(-8.255,4.445) B28(-9.525,4.445) B29(-10.795,4.445) B30(-12.065,4.445) B31(-13.335,4.445) B32(-14.605,4.445) B33(-15.875,4.445) B34(-17.145,4.445) B35(-18.415,4.445) B36(-19.685,4.445) B37(-20.955,4.445) B38(-22.225,4.445) B39(-23.495,4.445) B40(-24.765,4.445) C1(24.765,3.175) C2(23.495,3.175) C3(22.225,3.175) C4(20.955,3.175) C5(19.685,3.175) C6(18.415,3.175) C7(17.145,3.175) C8(15.875,3.175) C9(14.605,3.175) C10(13.335,3.175) C11(12.065,3.175) C12(10.795,3.175) C13(9.525,3.175) C14(8.255,3.175) C15(6.985,3.175) C16(5.715,3.175) C17(4.445,3.175) C18(3.175,3.175) C19(1.905,3.175) C20(0.635,3.175) C21(-0.635,3.175) C22(-1.905,3.175) C23(-3.175,3.175) C24(-4.445,3.175) C25(-5.715,3.175) C26(-6.985,3.175) C27(-8.255,3.175) C28(-9.525,3.175) C29(-10.795,3.175) C30(-12.065,3.175) C31(-13.335,3.175) C32(-14.605,3.175) C33(-15.875,3.175) C34(-17.145,3.175) C35(-18.415,3.175) C36(-19.685,3.175) C37(-20.955,3.175) C38(-22.225,3.175) C39(-23.495,3.175) C40(-24.765,3.175) D1(24.765,1.905) D2(23.495,1.905) D3(22.225,1.905) D4(20.955,1.905) D5(19.685,1.905) D6(18.415,1.905) D7(17.145,1.905) D8(15.875,1.905) D9(14.605,1.905) D10(13.335,1.905) D11(12.065,1.905) D12(10.795,1.905) D13(9.525,1.905) D14(8.255,1.905) D15(6.985,1.905) D16(5.715,1.905) D17(4.445,1.905) D18(3.175,1.905) D19(1.905,1.905) D20(0.635,1.905) D21(-0.635,1.905) D22(-1.905,1.905) D23(-3.175,1.905) D24(-4.445,1.905) D25(-5.715,1.905) D26(-6.985,1.905) D27(-8.255,1.905) D28(-9.525,1.905) D29(-10.795,1.905) D30(-12.065,1.905) D31(-13.335,1.905) D32(-14.605,1.905) D33(-15.875,1.905) D34(-17.145,1.905) D35(-18.415,1.905) D36(-19.685,1.905) D37(-20.955,1.905) D38(-22.225,1.905) D39(-23.495,1.905) D40(-24.765,1.905) E1(24.765,0.635) E2(23.495,0.635) E3(22.225,0.635) E4(20.955,0.635) E5(19.685,0.635) E6(18.415,0.635) E7(17.145,0.635) E8(15.875,0.635) E9(14.605,0.635) E10(13.335,0.635) E11(12.065,0.635) E12(10.795,0.635) E13(9.525,0.635) E14(8.255,0.635) E15(6.985,0.635) E16(5.715,0.635) E17(4.445,0.635) E18(3.175,0.635) E19(1.905,0.635) E20(0.635,0.635) E21(-0.635,0.635) E22(-1.905,0.635) E23(-3.175,0.635) E24(-4.445,0.635) E25(-5.715,0.635) E26(-6.985,0.635) E27(-8.255,0.635) E28(-9.525,0.635) E29(-10.795,0.635) E30(-12.065,0.635) E31(-13.335,0.635) E32(-14.605,0.635) E33(-15.875,0.635) E34(-17.145,0.635) E35(-18.415,0.635) E36(-19.685,0.635) E37(-20.955,0.635) E38(-22.225,0.635) E39(-23.495,0.635) E40(-24.765,0.635) F1(24.765,-0.635) F2(23.495,-0.635) F3(22.225,-0.635) F4(20.955,-0.635) F5(19.685,-0.635) F6(18.415,-0.635) F7(17.145,-0.635) F8(15.875,-0.635) F9(14.605,-0.635) F10(13.335,-0.635) F11(12.065,-0.635) F12(10.795,-0.635) F13(9.525,-0.635) F14(8.255,-0.635) F15(6.985,-0.635) F16(5.715,-0.635) F17(4.445,-0.635) F18(3.175,-0.635) F19(1.905,-0.635) F20(0.635,-0.635) F21(-0.635,-0.635) F22(-1.905,-0.635) F23(-3.175,-0.635) F24(-4.445,-0.635) F25(-5.715,-0.635) F26(-6.985,-0.635) F27(-8.255,-0.635) F28(-9.525,-0.635) F29(-10.795,-0.635) F30(-12.065,-0.635) F31(-13.335,-0.635) F32(-14.605,-0.635) F33(-15.875,-0.635) F34(-17.145,-0.635) F35(-18.415,-0.635) F36(-19.685,-0.635) F37(-20.955,-0.635) F38(-22.225,-0.635) F39(-23.495,-0.635) F40(-24.765,-0.635) G1(24.765,-1.905) G2(23.495,-1.905) G3(22.225,-1.905) G4(20.955,-1.905) G5(19.685,-1.905) G6(18.415,-1.905) G7(17.145,-1.905) G8(15.875,-1.905) G9(14.605,-1.905) G10(13.335,-1.905) G11(12.065,-1.905) G12(10.795,-1.905) G13(9.525,-1.905) G14(8.255,-1.905) G15(6.985,-1.905) G16(5.715,-1.905) G17(4.445,-1.905) G18(3.175,-1.905) G19(1.905,-1.905) G20(0.635,-1.905) G21(-0.635,-1.905) G22(-1.905,-1.905) G23(-3.175,-1.905) G24(-4.445,-1.905) G25(-5.715,-1.905) G26(-6.985,-1.905) G27(-8.255,-1.905) G28(-9.525,-1.905) G29(-10.795,-1.905) G30(-12.065,-1.905) G31(-13.335,-1.905) G32(-14.605,-1.905) G33(-15.875,-1.905) G34(-17.145,-1.905) G35(-18.415,-1.905) G36(-19.685,-1.905) G37(-20.955,-1.905) G38(-22.225,-1.905) G39(-23.495,-1.905) G40(-24.765,-1.905) H1(24.765,-3.175) H2(23.495,-3.175) H3(22.225,-3.175) H4(20.955,-3.175) H5(19.685,-3.175) H6(18.415,-3.175) H7(17.145,-3.175) H8(15.875,-3.175) H9(14.605,-3.175) H10(13.335,-3.175) H11(12.065,-3.175) H12(10.795,-3.175) H13(9.525,-3.175) H14(8.255,-3.175) H15(6.985,-3.175) H16(5.715,-3.175) H17(4.445,-3.175) H18(3.175,-3.175) H19(1.905,-3.175) H20(0.635,-3.175) H21(-0.635,-3.175) H22(-1.905,-3.175) H23(-3.175,-3.175) H24(-4.445,-3.175) H25(-5.715,-3.175) H26(-6.985,-3.175) H27(-8.255,-3.175) H28(-9.525,-3.175) H29(-10.795,-3.175) H30(-12.065,-3.175) H31(-13.335,-3.175) H32(-14.605,-3.175) H33(-15.875,-3.175) H34(-17.145,-3.175) H35(-18.415,-3.175) H36(-19.685,-3.175) H37(-20.955,-3.175) H38(-22.225,-3.175) H39(-23.495,-3.175) H40(-24.765,-3.175) J1(24.765,-4.445) J2(23.495,-4.445) J3(22.225,-4.445) J4(20.955,-4.445) J5(19.685,-4.445) J6(18.415,-4.445) J7(17.145,-4.445) J8(15.875,-4.445) J9(14.605,-4.445) J10(13.335,-4.445) J11(12.065,-4.445) J12(10.795,-4.445) J13(9.525,-4.445) J14(8.255,-4.445) J15(6.985,-4.445) J16(5.715,-4.445) J17(4.445,-4.445) J18(3.175,-4.445) J19(1.905,-4.445) J20(0.635,-4.445) J21(-0.635,-4.445) J22(-1.905,-4.445) J23(-3.175,-4.445) J24(-4.445,-4.445) J25(-5.715,-4.445) J26(-6.985,-4.445) J27(-8.255,-4.445) J28(-9.525,-4.445) J29(-10.795,-4.445) J30(-12.065,-4.445) J31(-13.335,-4.445) J32(-14.605,-4.445) J33(-15.875,-4.445) J34(-17.145,-4.445) J35(-18.415,-4.445) J36(-19.685,-4.445) J37(-20.955,-4.445) J38(-22.225,-4.445) J39(-23.495,-4.445) J40(-24.765,-4.445) K1(24.765,-5.715) K2(23.495,-5.715) K3(22.225,-5.715) K4(20.955,-5.715) K5(19.685,-5.715) K6(18.415,-5.715) K7(17.145,-5.715) K8(15.875,-5.715) K9(14.605,-5.715) K10(13.335,-5.715) K11(12.065,-5.715) K12(10.795,-5.715) K13(9.525,-5.715) K14(8.255,-5.715) K15(6.985,-5.715) K16(5.715,-5.715) K17(4.445,-5.715) K18(3.175,-5.715) K19(1.905,-5.715) K20(0.635,-5.715) K21(-0.635,-5.715) K22(-1.905,-5.715) K23(-3.175,-5.715) K24(-4.445,-5.715) K25(-5.715,-5.715) K26(-6.985,-5.715) K27(-8.255,-5.715) K28(-9.525,-5.715) K29(-10.795,-5.715) K30(-12.065,-5.715) K31(-13.335,-5.715) K32(-14.605,-5.715) K33(-15.875,-5.715) K34(-17.145,-5.715) K35(-18.415,-5.715) K36(-19.685,-5.715) K37(-20.955,-5.715) K38(-22.225,-5.715) K39(-23.495,-5.715) K40(-24.765,-5.715)
